# Altium PCB Middle_Stack_PCB.PcbDoc (continued)
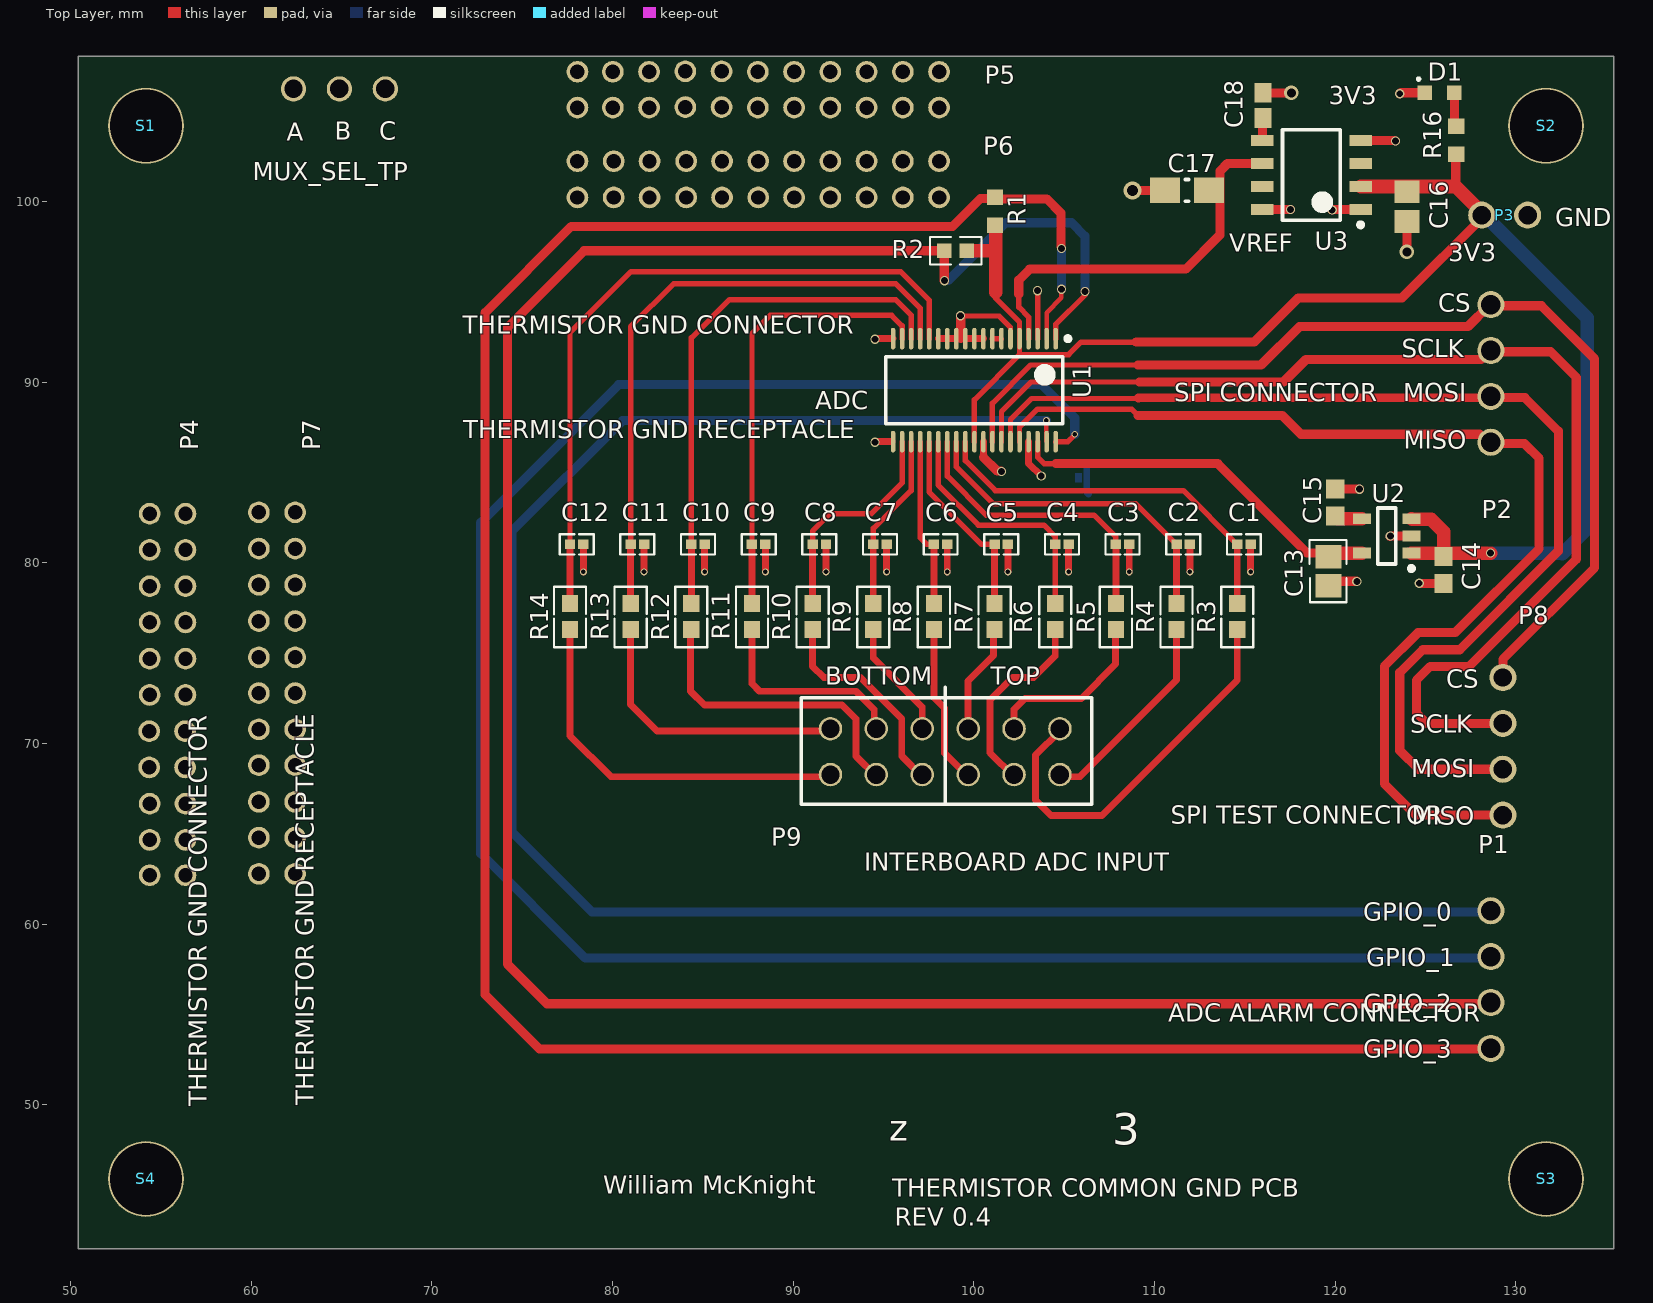
[diagram p0: Top Layer view]
## Part data (continued)
MUX_SEL_TP: "Mux Sel Header TP", Manufacturer="Adam Equipment", Manufacturer Part Number=PH1RA-03-UA, Supplier Part Number 1=2057-PH1RA-03-UA-ND, ComponentLink1Description=https://datasheet.ciiva.com/16476/page-292-295-16476086.pdf?src-supplier=Future+Electronics, ComponentLink1URL=https://datasheet.ciiva.com/16476/page-292-295-16476086.pdf?src-supplier=Future+Electronics, Lead Free="Lead Free", Pricing 1="1=0.12000, 10=0.11300, 100=0.06960, 500=0.05760, 1000=0.05040, 5000=0.04320, 10000=0.04200 (USD)", RoHS=Yes, Stock 1=4630, Supplier 1=Digi-Key
P1: "Connector Header Through Hole, Right Angle 4 position 0.100\" (2.54mm)", Color=Black, Contact Resistance=30mR, Manufacturer=Molex, Manufacturer Part Number=0705530108, Max Operating Temperature=105°C, Min Operating Temperature=-40°C, Supplier Part Number 1=WM4155-ND, ComponentLink1Description=https://datasheet.ciiva.com/6829/705530106-sd-6829901.pdf?src-supplier=Digi-Key, ComponentLink1URL=https://datasheet.ciiva.com/6829/705530106-sd-6829901.pdf?src-supplier=Digi-Key, ComponentLink2Description=https://datasheet.ciiva.com/16498/0705530108-pcb-headers-16498173.pdf?src-supplier=Avnet+Asia, ComponentLink2URL=https://datasheet.ciiva.com/16498/0705530108-pcb-headers-16498173.pdf?src-supplier=Avnet+Asia, Connector Type="Male Pin", Contact Material=Bronze, Contact Mating Length=0.24inch, Contact Plating=Gold, Depth=13.59mm, Fastening Type=Latch, Housing Color=Black, Housing Material=Polyester, Length=12.71mm, Mount="Through Hole", Number of Positions=4, Number of Rows=1, Orientation="Right Angle", Packaging=Rail/Tube, Pitch=0.1inch, Pricing 1="1=2.03000, 10=1.83800, 100=1.57500, 500=1.31250, 1000=1.12500, 5000=0.99750, 10000=0.97500 (USD)", Radiation Hardening=No, RoHS=Yes, Stock 1=858, Supplier 1=Digi-Key, Termination=Solder
P2: "SPI Connector", Color=Black, Contact Resistance=30mR, Current Rating=3A, Flammability Rating="UL94 V-0", Insulation Resistance=1GR, Manufacturer=Molex, Manufacturer Part Number=0705530108, Max Operating Temperature=105°C, Min Operating Temperature=-40°C, Package Quantity=1680, Supplier Part Number 1=WM4155-ND, Voltage Rating=250V, ComponentLink1Description=https://www.molex.com/pdm_docs/ps/PS-70400.pdf?src-supplier=Digi-Key, ComponentLink1URL=https://www.molex.com/pdm_docs/ps/PS-70400.pdf?src-supplier=Digi-Key, ComponentLink2Description=http://www.molex.com/webdocs/datasheets/pdf/en-us/0705530108_PCB_HEADERS.pdf?src-supplier=Avnet+Asia, ComponentLink2URL=http://www.molex.com/webdocs/datasheets/pdf/en-us/0705530108_PCB_HEADERS.pdf?src-supplier=Avnet+Asia, ComponentLink3Description=http://www.farnell.com/datasheets/2027073.pdf?src-supplier=Element14, ComponentLink3URL=http://www.farnell.com/datasheets/2027073.pdf?src-supplier=Element14, ComponentLink4Description=http://www.molex.com/webdocs/datasheets/pdf/en-us/0705530108_PCB_HEADERS.pdf?src-supplier=Avnet, ComponentLink4URL=http://www.molex.com/webdocs/datasheets/pdf/en-us/0705530108_PCB_HEADERS.pdf?src-supplier=Avnet, ComponentLink5Description=http://www.mouser.com/ds/2/276/0705530108_PCB_HEADERS-172949.pdf?src-supplier=Mouser, ComponentLink5URL=http://www.mouser.com/ds/2/276/0705530108_PCB_HEADERS-172949.pdf?src-supplier=Mouser, Connector Type="Male Pin", Contact Material=Bronze, Contact Mating Length=0.24inch, Contact Plating=Gold, Depth=13.59mm, ELV=Compliant, Fastening Type=Latch, Gender=Male, Glow Wire Compliant=Non-compliant, Housing Color=Black, Housing Material=Polyester, Length=12.71mm, Material=Brass, Mount="Through Hole", Number of Circuits=4, Number of Contacts=4, Number of Positions=4, Number of Rows=1, Orientation="Right Angle", Packaging=Rail/Tube, Pitch=0.1inch, Pricing 1="1=2.03, 10=1.838, 100=1.575, 500=1.3125, 1680=1.0875, 5040=0.9975, 10080=0.975 (USD)", Radiation Hardening=No, REACH SVHC=Unknown, Stock 1=1281, Supplier 1=Digi-Key, Termination=Solder, Voltage Rating (DC)=250V
P3: "No supplier part for this schematic symbol, only here to create board to board holes for the power header"
P4 P5: "Current Therm Connector", Color=Black, Contact Resistance=30mR, Current Rating=2A, Manufacturer=Hirose, Manufacturer Part Number=DF11-22DP-2DS(24), Max Operating Temperature=85°C, Min Operating Temperature=-30°C, Package Quantity=20, Supplier Part Number 1=H10253-ND, Voltage Rating=250V, ComponentLink1Description=http://docs-usa.electrocomponents.com/techlib:/itc_doclist_US.htm?stockno=6888963&src-supplier=Allied+Electronics, ComponentLink1URL=http://docs-usa.electrocomponents.com/techlib:/itc_doclist_US.htm?stockno=6888963&src-supplier=Allied+Electronics, ComponentLink2Description=https://www.verical.com/server-webapp/html/getDatasheet?partID=456315&src-supplier=Verical, ComponentLink2URL=https://www.verical.com/server-webapp/html/getDatasheet?partID=456315&src-supplier=Verical, ComponentLink3Description=http://www.hirose.co.jp/cataloge_hp/en_DF11_20130411.pdf?src-supplier=Future+Electronics, ComponentLink3URL=http://www.hirose.co.jp/cataloge_hp/en_DF11_20130411.pdf?src-supplier=Future+Electronics, ComponentLink4Description=http://www.farnell.com/datasheets/91550.pdf?src-supplier=Element14, ComponentLink4URL=http://www.farnell.com/datasheets/91550.pdf?src-supplier=Element14, ComponentLink5Description=http://www.mouser.com/ds/2/185/DF11_catalog-1064296.pdf?src-supplier=Mouser, ComponentLink5URL=http://www.mouser.com/ds/2/185/DF11_catalog-1064296.pdf?src-supplier=Mouser, ComponentLink6Description=http://documents.rs-components.com/techlib://itc_doclist_GB.htm?stockno=6056598&src-supplier=RSComponents, ComponentLink6URL=http://documents.rs-components.com/techlib://itc_doclist_GB.htm?stockno=6056598&src-supplier=RSComponents, Connector Type="Male Pin", Contact Material="Brass,Copper Alloy,Tin", Contact Mating Length=0.118inch, Contact Plating=Tin, Depth=10mm, Fastening Type=Detent, Gender=Male, Height=5mm, Housing Color=Black, Housing Material=Polyamide, Lead Free="Lead Free", Length=24mm, Max Current Rating=2A, Mount="Through Hole", Number of Contacts=22, Number of Positions=22, Number of Rows=2, Orientation="Right Angle", Packaging=Rail/Tube, Pitch=2mm, Pricing 1="1=1.19, 20=1.0455, 100=0.902, 500=0.738, 1000=0.656 (USD)", Radiation Hardening=No, Row Spacing=0.079inch, Stock 1=3536, Supplier 1=Digi-Key, Termination=Solder
P6 P7: Color=Black, Contact Resistance=30mR, Current Rating=2A, Flammability Rating="UL94 V-0", Insulation Resistance=1GR, Manufacturer=Hirose, Manufacturer Part Number=DF11-22DS-2DSA(05), Package Quantity=100, Supplier Part Number 1=H10177-ND, Voltage Rating (AC)=30V, ComponentLink1Description=https://datasheet.ciiva.com/11752/0900766b80d975f3-11752361.pdf?src-supplier=RSComponents, ComponentLink1URL=https://datasheet.ciiva.com/11752/0900766b80d975f3-11752361.pdf?src-supplier=RSComponents, ComponentLink2Description=https://datasheet.ciiva.com/14122/df11serie-eng-tds-14122182.pdf?src-supplier=Distrelec, ComponentLink2URL=https://datasheet.ciiva.com/14122/df11serie-eng-tds-14122182.pdf?src-supplier=Distrelec, ComponentLink3Description=https://datasheet.ciiva.com/5155/en-df11-20130411-258217-5155093.pdf?src-supplier=Mouser, ComponentLink3URL=https://datasheet.ciiva.com/5155/en-df11-20130411-258217-5155093.pdf?src-supplier=Mouser, Connector Type=Receptacle, Contact Gender=Female, Contact Material=Copper, Contact Plating=Tin, Gender=Receptacle, Housing Color=Black, Housing Material=Polyamide, Lead Free="Lead Free", Lead Pitch=2mm, Mating Cycles=30, Mount="Through Hole", Number of Contacts=22, Number of Positions=22, Number of Rows=2, Orientation=Straight, Packaging=Bulk, Pitch=2mm, Pricing 1="1=1.40000, 10=1.27400, 100=1.09200, 500=0.91000, 1000=0.78000 (USD)", REACH SVHC="No SVHC", RoHS=Yes, Row Spacing=0.079inch, Stock 1=843, Supplier 1=Digi-Key, Termination="Through Hole"
P8: "Connector Header Through Hole, Right Angle 4 position 0.100\" (2.54mm)", Color=Natural,Beige, Contact Current Rating=5A, Contact Resistance=6mR, Flammability Rating="UL94 V-0", Housing Color=Natural, Manufacturer="TE Connectivity", Manufacturer Part Number=640455-4, Max Operating Temperature=221°C, Max Voltage Rating (AC)=250V, Min Operating Temperature=-67°C, Package Quantity=1, Supplier Part Number 1=A19452-ND, Approvals=CSA, Backwall/Post Interruptions="No (Without)", ComponentLink1Description=https://datasheet.ciiva.com/16499/eng-ds-82056-mta-0608-16499288.pdf?src-supplier=Future+Electronics, ComponentLink1URL=https://datasheet.ciiva.com/16499/eng-ds-82056-mta-0608-16499288.pdf?src-supplier=Future+Electronics, ComponentLink2Description=https://datasheet.ciiva.com/11752/0900766b81020fb4-11752965.pdf?src-supplier=RSComponents, ComponentLink2URL=https://datasheet.ciiva.com/11752/0900766b81020fb4-11752965.pdf?src-supplier=RSComponents, ComponentLink3Description=https://datasheet.ciiva.com/30226/8852eng-ds-82056-mta-0608-30226713.pdf?src-supplier=Onlinecomponents.com, ComponentLink3URL=https://datasheet.ciiva.com/30226/8852eng-ds-82056-mta-0608-30226713.pdf?src-supplier=Onlinecomponents.com, ComponentLink4Description=https://datasheet.ciiva.com/709/eng-cd-640455-y2-709686.pdf?src-supplier=Digi-Key, ComponentLink4URL=https://datasheet.ciiva.com/709/eng-cd-640455-y2-709686.pdf?src-supplier=Digi-Key, Connector System=Wire-to-Board, Connector Type=Plug,Header,Pin, Contact Gender=Male, Contact Material="Copper Alloy", Contact Mating Length=0.295inch, Contact Plating=Tin, Contact Post Length=3.56mm, Contact Retention="No (Without)", Contact Shape=Square, Current Rating=5A, Depth=11.05mm, ELV=Compliant, Height=7.75mm, Housing Material=Polyester, Lead Free="Lead Free", Length=0.4inch, Mating Alignment="No (Without)", Mating Retention="No (Without)", Mount="Through Hole", Number of Contacts=4, Number of Positions=4, Number of Rows=1, Orientation="Right Angle", Packaging=Bulk, PCB Mount Alignment="No (Without)", PCB Mounting Orientation="Right Angle", PCB Mount Retention=Without, PCB Thickness=0.063inch, Pitch=2.54mm, Plating Thickness=3.81um, Pricing 1="1=0.14000, 10=0.12700, 100=0.08780, 500=0.07430, 1000=0.06080, 5000=0.05404, 10000=0.05066 (USD)", Radiation Hardening=No, REACH SVHC=Unknown, RoHS=Yes, Sealable="No (Without)", Shrouded="No (Without)", Stock 1=4333, Strain Relief="No (Without)", Supplier 1=Digi-Key, Tail Length=3.56mm, Termination=Solder, Underplate Material=Nickel, Voltage Rating=250V, Voltage Rating (AC)=250V
P9: "Connector Header Through Hole 12 position 0.100\" (2.54mm)", Color=Black, Manufacturer=3M, Manufacturer Part Number=929715-06-06-EU, Package Quantity=500, Supplier Part Number 1=3M156375-12-ND, ComponentLink1Description=http://components.arrow.com/part/dataview/42715320S8912076N3321?src-supplier=Arrow, ComponentLink1URL=http://components.arrow.com/part/dataview/42715320S8912076N3321?src-supplier=Arrow, ComponentLink2Description=http://www.mouser.com/ds/2/1/ts0769-35914.pdf?src-supplier=Mouser, ComponentLink2URL=http://www.mouser.com/ds/2/1/ts0769-35914.pdf?src-supplier=Mouser, ComponentLink3Description=http://multimedia.3m.com/mws/mediawebserver?66666UuZjcFSLXTtmXME5x46EVuQEcuZgVs6EVs6E666666--?src-supplier=Digi-Key, ComponentLink3URL=http://multimedia.3m.com/mws/mediawebserver?66666UuZjcFSLXTtmXME5x46EVuQEcuZgVs6EVs6E666666--?src-supplier=Digi-Key, Connector Type="Male Pin", Contact Mating Length=0.318inch, Contact Plating=Gold, Gender=Male, Mount="Through Hole", Number of Positions=12, Number of Rows=2, Packaging=Bulk, Pitch=0.1inch, Pricing 1="1=1.86000, 10=1.69000, 25=1.58600, 50=1.51720, 100=1.44820, 250=1.31024, 500=1.20680 (USD)", RoHS=Yes, Row Spacing=0.1inch, Stock 1=0, Supplier 1=Digi-Key, Termination=Solder
R1: library part "47.5k PullUp RES ADC", "RES 47.5K OHM 0.5% 1/10W 0603", Case/Package=0603, Manufacturer="Stackpole Electronics", Manufacturer Part Number=RNCF0603DTE47K5, Max Operating Temperature=155°C, Min Operating Temperature=-55°C, Power Rating=63mW, Resistance=47.5kR, Supplier Part Number 1=RNCF0603DTE47K5CT-ND, Tolerance=0.5%, ComponentLink1Description=http://datasheet.octopart.com/RNCF0603DTE47K5-Stackpole-Electronics-datasheet-10788241.pdf?src-supplier=Stackpole+Electronics, ComponentLink1URL=http://datasheet.octopart.com/RNCF0603DTE47K5-Stackpole-Electronics-datasheet-10788241.pdf?src-supplier=Stackpole+Electronics, ComponentLink2Description=http://datasheet.octopart.com/RNCF0603DTE47K5-Stackpole-Electronics-datasheet-12511394.pdf?src-supplier=Stackpole+Electronics, ComponentLink2URL=http://datasheet.octopart.com/RNCF0603DTE47K5-Stackpole-Electronics-datasheet-12511394.pdf?src-supplier=Stackpole+Electronics, ComponentLink3Description=http://datasheet.octopart.com/RNCF0603DTE47K5-Stackpole-Electronics-datasheet-11755897.pdf, ComponentLink3URL=http://datasheet.octopart.com/RNCF0603DTE47K5-Stackpole-Electronics-datasheet-11755897.pdf, Mount="Surface Mount", Packaging="Tape and Reel", Pricing 1="1=0.15000, 10=0.12700, 100=0.04970, 1000=0.02079, 2500=0.01906 (USD)", Stock 1=5000, Supplier 1=Digi-Key
R2: "RES 47.5K OHM 0.5% 1/10W 0603", Case/Package=0603, Manufacturer="Stackpole Electronics", Manufacturer Part Number=RNCF0603DTE47K5, Max Operating Temperature=155°C, Min Operating Temperature=-55°C, Power Rating=63mW, Resistance=47.5kR, Supplier Part Number 1=RNCF0603DTE47K5CT-ND, Tolerance=0.5%, ComponentLink1Description=http://datasheet.octopart.com/RNCF0603DTE47K5-Stackpole-Electronics-datasheet-10788241.pdf?src-supplier=Stackpole+Electronics, ComponentLink1URL=http://datasheet.octopart.com/RNCF0603DTE47K5-Stackpole-Electronics-datasheet-10788241.pdf?src-supplier=Stackpole+Electronics, ComponentLink2Description=http://datasheet.octopart.com/RNCF0603DTE47K5-Stackpole-Electronics-datasheet-12511394.pdf?src-supplier=Stackpole+Electronics, ComponentLink2URL=http://datasheet.octopart.com/RNCF0603DTE47K5-Stackpole-Electronics-datasheet-12511394.pdf?src-supplier=Stackpole+Electronics, ComponentLink3Description=http://datasheet.octopart.com/RNCF0603DTE47K5-Stackpole-Electronics-datasheet-11755897.pdf, ComponentLink3URL=http://datasheet.octopart.com/RNCF0603DTE47K5-Stackpole-Electronics-datasheet-11755897.pdf, Mount="Surface Mount", Packaging="Tape and Reel", Pricing 1="1=0.15000, 10=0.12700, 100=0.04970, 1000=0.02079, 2500=0.01906 (USD)", Stock 1=5000, Supplier 1=Digi-Key
R3 R4 R5 R6 R7 R8 R9 R10 R11 R12 R13 R14: Case/Package=0603, Case Code (Metric)=1608, Manufacturer=Rohm, Manufacturer Part Number=KTR03EZPF75R0, Max Operating Temperature=155°C, Max Power Dissipation=100mW, Min Operating Temperature=-55°C, Package Quantity=1, Resistance=75R, Supplier Part Number 1=RHM75AYCT-ND, Temperature Coefficient=100ppm/°C, Tolerance=1%, Case Code (Imperial)=0603, ComponentLink1Description=https://datasheet.ciiva.com/14930/ktr-14930245.pdf?src-supplier=Digi-Key, ComponentLink1URL=https://datasheet.ciiva.com/14930/ktr-14930245.pdf?src-supplier=Digi-Key, ComponentLink2Description=https://datasheet.ciiva.com/14924/ktr-14924923.pdf?src-supplier=Digi-Key, ComponentLink2URL=https://datasheet.ciiva.com/14924/ktr-14924923.pdf?src-supplier=Digi-Key, ComponentLink3Description=https://datasheet.ciiva.com/14928/ktr-14928475.pdf?src-supplier=Digi-Key, ComponentLink3URL=https://datasheet.ciiva.com/14928/ktr-14928475.pdf?src-supplier=Digi-Key, Composition="Thick Film", Features="Automotive AEC-Q200", Height=0.022inch, Length=0.063inch, Number of Terminations=2, Packaging="Cut Tape", Pricing 1="1=0.15000, 10=0.13500, 100=0.05200, 1000=0.02287, 2500=0.01975 (USD)", RoHS=Yes, Stock 1=9052, Supplier 1=Digi-Key, Width=0.031inch
R15: "0 Ohm Resistor for connecting polygon pours"
R16: library part Green_LED_Res, Case/Package=0201, Case Code (Metric)=0603, Manufacturer=Panasonic, Manufacturer Part Number=ERJ-1GNF90R9C, Max Operating Temperature=125°C, Max Power Dissipation=50mW, Min Operating Temperature=-55°C, Package Quantity=15000, Resistance=90.9R, Supplier Part Number 1=311-90.9HRCT-ND, Temperature Coefficient=200ppm/°C, Tolerance=1%, Voltage Rating=25V, Voltage Rating (DC)=50V, Case Code (Imperial)=0201, ComponentLink1Description=https://datasheet.ciiva.com/15189/getdatasheetpartid-326528-15189836.pdf?src-supplier=Verical, ComponentLink1URL=https://datasheet.ciiva.com/15189/getdatasheetpartid-326528-15189836.pdf?src-supplier=Verical, ComponentLink2Description=https://datasheet.ciiva.com/12558/rc0603-272842-12558285.pdf?src-supplier=Mouser, ComponentLink2URL=https://datasheet.ciiva.com/12558/rc0603-272842-12558285.pdf?src-supplier=Mouser, Composition="Thick Film", Contact Plating=Tin,Matte, Depth=0.8mm, Height=0.01inch, Lead Free="Lead Free", Length=0.024inch, Military Standard=Not, Mount="Surface Mount", Number of Terminations=2, Packaging="Tape and Reel", Power Rating=50mW, Pricing 1="1=0.10000, 10=0.02400, 100=0.00970, 1000=0.00437, 2500=0.00379 (USD)", Radiation Hardening=No, RoHS=Yes, Stock 1=401780, Supplier 1=Digi-Key, Termination=SMD/SMT, Width=0.3mm
S1 S2 S3 S4: "Hex standoff for Thermistor GND Board", Case/Package=Aluminum, Manufacturer=RAF, Manufacturer Part Number=2104-632-AL, Supplier Part Number 1=1772-1401-ND, ComponentLink1Description=https://datasheet.ciiva.com/18425/70006493-18425850.pdf?src-supplier=Allied+Electronics, ComponentLink1URL=https://datasheet.ciiva.com/18425/70006493-18425850.pdf?src-supplier=Allied+Electronics, ComponentLink2Description=https://datasheet.ciiva.com/30059/2101-1032-b-5-30059595.pdf?src-supplier=Onlinecomponents.com, ComponentLink2URL=https://datasheet.ciiva.com/30059/2101-1032-b-5-30059595.pdf?src-supplier=Onlinecomponents.com, Gender="Female to Female", Length=0.5inch, Material=Aluminium, Pricing 1="1=0.26000, 25=0.17400, 100=0.14820, 250=0.14080, 500=0.13338, 1000=0.12597 (USD)", RoHS=Yes, Shape=Hex, Stock 1=3884, Supplier 1=Digi-Key, System=Connector
U1: "12 Bit SAR ADC", Case/Package=TSSOP, Manufacturer="Texas Instruments", Manufacturer Part Number=ADS7952SDBT, Max Operating Temperature=125°C, Max Supply Voltage=5.25V, Min Operating Temperature=-40°C, Min Supply Voltage=2.7V, Nominal Supply Current=2.3mA, Operating Supply Voltage=3.3V, Package Quantity=50, Power Consumption=11.5mW, Power Dissipation=14.5mW, Supplier Part Number 1=296-23503-5-ND, ComponentLink1Description=https://datasheet.ciiva.com/41460/001186285-da-01-en-ic-adc-12bit-1m-ads7952sdbt-tssop-38-tid-41460243.pdf?src-supplier=Conrad, ComponentLink1URL=https://datasheet.ciiva.com/41460/001186285-da-01-en-ic-adc-12bit-1m-ads7952sdbt-tssop-38-tid-41460243.pdf?src-supplier=Conrad, ComponentLink2Description=https://datasheet.ciiva.com/14258/ads7961-14258981.pdf?src-supplier=Avnet, ComponentLink2URL=https://datasheet.ciiva.com/14258/ads7961-14258981.pdf?src-supplier=Avnet, ComponentLink3Description=https://datasheet.ciiva.com/1263/ads7950-1263926.pdf?src-supplier=Digi-Key, ComponentLink3URL=https://datasheet.ciiva.com/1263/ads7950-1263926.pdf?src-supplier=Digi-Key, Contact Plating=Gold, Conversion Rate=1MS/s, Full Scale Error=2LSB, Integral Nonlinearity (INL)=1.5LSB, Interface=SPI, Lead Free="Lead Free", Mount="Surface Mount", Number of A/D Converters=1, Number of Analog Inputs=12, Number of Bits=12, Number of Channels=12, Number of Converters=1, Number of Elements=1, Number of Inputs=12, Number of Pins=38, Packaging=Rail/Tube, Polarity=Unipolar, Pricing 1="1=9.30000, 10=8.40000, 50=8.00940, 100=6.95450, 500=6.05586, 1000=5.27445 (USD)", Radiation Hardening=No, REACH SVHC="No SVHC", Resolution=12b, RoHS=Yes, Sampling Rate=1MS/s, Signal to Noise Ratio (SNR)=71.7dB, Stock 1=1697, Supplier 1=Digi-Key, Supply Type=Analog
U2: "Linear Voltage Regulator IC  1 Output  200mA SOT-23-5", Case/Package=SOT-23, Dropout Voltage=102mV, Input Bias Current=170uA, Manufacturer="Texas Instruments", Manufacturer Part Number=TPS79333DBVRQ1, Max Input Voltage=5.5V, Max Operating Temperature=125°C, Max Output Current=200mA, Max Output Voltage=3.3V, Max Power Dissipation=561mW, Min Current Limit=285mA, Min Input Voltage=2.7V, Min Operating Temperature=-40°C, Output Voltage Accuracy=2%, Package Quantity=1, Quiescent Current=200uA, Supplier Part Number 1=296-15308-1-ND, Accuracy=2%, ComponentLink1Description=https://datasheet.ciiva.com/14277/tps79301-q1-14277552.pdf?src-supplier=Avnet, ComponentLink1URL=https://datasheet.ciiva.com/14277/tps79301-q1-14277552.pdf?src-supplier=Avnet, ComponentLink2Description=https://datasheet.ciiva.com/22700/1845238-22700085.pdf?src-supplier=Element14, ComponentLink2URL=https://datasheet.ciiva.com/22700/1845238-22700085.pdf?src-supplier=Element14, ComponentLink3Description=https://datasheet.ciiva.com/7993/1781686-7993219.pdf?src-supplier=Element14, ComponentLink3URL=https://datasheet.ciiva.com/7993/1781686-7993219.pdf?src-supplier=Element14, ComponentLink4Description=https://datasheet.ciiva.com/28684/1887604-28684539.pdf?src-supplier=Element14, ComponentLink4URL=https://datasheet.ciiva.com/28684/1887604-28684539.pdf?src-supplier=Element14, Contact Plating=Gold, Lead Free="Lead Free", Max Supply Voltage=5.5V, Min Output Voltage=3.3V, Min Supply Voltage=2.7V, Nominal Output Voltage=3.3V, Number of Outputs=1, Number of Pins=5, Number of Regulators=1, Output Current=200mA, Output Type=Fixed, Output Voltage=3.3V, Packaging="Tape and Reel", Polarity=Positive, Power Dissipation=561mW, Pricing 1="1=0.86000, 10=0.75600, 100=0.53820, 500=0.43510, 1000=0.33205 (USD)", Radiation Hardening=No, REACH SVHC="No SVHC", RoHS=Yes, Stock 1=3595, Supplier 1=Digi-Key, Termination=SMD/SMT
U3: Case/Package=D, Manufacturer="Texas Instruments", Manufacturer Part Number=REF5025AQDRQ1, Max Input Voltage=18V, Max Operating Temperature=125°C, Max Output Current=10mA, Max Output Voltage=2.5V, Min Input Voltage=2.7V, Min Operating Temperature=-40°C, Nominal Supply Current=800uA, Operating Supply Current=1.2mA, Package Quantity=1, Supplier Part Number 1=296-27911-1-ND, Temperature Coefficient=3ppm/°C, Tolerance=0.1%, ComponentLink1Description=http://www.ti.com/lit/ds/symlink/ref5025a-q1.pdf, ComponentLink1URL=http://www.ti.com/lit/ds/symlink/ref5025a-q1.pdf, ComponentLink2Description=http://www.ti.com/lit/ds/symlink/ref5020a-q1.pdf?src-supplier=Digi-Key, ComponentLink2URL=http://www.ti.com/lit/ds/symlink/ref5020a-q1.pdf?src-supplier=Digi-Key, ComponentLink3Description=http://www.ti.com/lit/ds/symlink/ref5030a-q1.pdf?src-supplier=Digi-Key, ComponentLink3URL=http://www.ti.com/lit/ds/symlink/ref5030a-q1.pdf?src-supplier=Digi-Key, Lead Free="Lead Free", Min Output Voltage=2.5V, Number of Channels=1, Number of Pins=8, Output Current=10mA, Output Type=Fixed, Output Voltage=2.5V, Packaging="Tape and Reel", Pricing 1="1=3.54, 10=3.182, 100=2.607, 500=2.2193, 1000=1.8717 (USD)", Quiescent Current=800uA, Radiation Hardening=No, Reference Type=Series, Stock 1=16802, Supplier 1=Digi-Key, Weight=0.002677oz

## Via types
v1: diameter 0.508, hole 0.381, Top Layer to Bottom Layer, tented top, 19 vias
v2: diameter 0.381, hole 0.254, Top Layer to Bottom Layer, tented top, 14 vias
v3: diameter 0.8, hole 0.5, Top Layer to Bottom Layer, 2 vias
v4: diameter 1, hole 0.6, Top Layer to Bottom Layer, 1 vias

## Nets (pads, with @x,y where several pads share a name; then routed paths per layer and width w, separated by ;. In a path a pad name is that pad's centre, name@x,y a point inside that pad or via, vN(x,y) a via of type N, cw(c..) or ccw(c..) an arc to the next point about the centre after c; other vN are vias at no path point)
+3.3V_AN: C14.2 C16.2 P3.2 R1.2 R2.2 R16.1 U1.5 U1.29 U2.1 U2.3 U3.2 | length 87.1
  Top Layer w0.3: U1.29 100.03,89.032 102.53,91.532 ; 101.219,94.996 101.219,94.64 102.53,93.329 U1.5 102.53,91.532 ; 108.991,92.227 105.943,92.227 105.248,91.532 102.53,91.532
  Top Layer w0.508: 108.991,92.227 115.519,92.227 117.958,94.666 123.693,94.666 P3.2@128.273,99.245 ; 126.68,100.838 R16.1@126.68,102.603
  Top Layer w0.75: R2.2 101.219,97.282 ; R1.2 101.219,98.641 101.219,97.282 ; 101.219,94.996 101.219,97.282 ; U3.2 126.68,100.838 P3.2@128.273,99.245 ; U2.1 125.822,80.543 C14.2 ; U2.3 124.262,82.407 125.316,82.407 126.001,81.721 C14.2 ; v1(128.6,80.543) 126.259,80.543 126.04,80.324 C14.2
  Bottom Layer w0.75: P3.2@128.273,99.245 133.96,93.558 133.96,81.89 132.57,80.5 132.527,80.543 v1(128.6,80.543)
+VBD: C13.2 U1.36 U2.5 | length 20.9
  Top Layer w0.3: U1.36 103.53,85.852 103.886,85.496 104.546,85.496
  Top Layer w0.5: 118.437,80.562 119.412,80.562 C13.2
  Top Layer w0.508: 104.546,85.496 113.504,85.496 118.437,80.562
  Top Layer w0.75: C13.2@119.855,80.49 119.907,80.543 U2.5
AGND: C1.1 C2.1 C3.1 C4.1 C5.1 C6.1 C7.1 C8.1 C9.1 C10.1 C11.1 C12.1 C13.1 C14.1 C15.1 C16.1 C17.1 C18.1 D1.1 P3.1 P4.1 P4.2 P4.3 P4.4 P4.5 P4.6 P4.7 P4.8 P4.9 P4.10 P4.11 P4.12 P4.13 P4.14 P4.15 P4.16 P4.17 P4.18 P4.19 P4.20 P4.21 P4.22 P5.1 P5.2 P5.3 P5.4 P5.5 P5.6 P5.7 P5.8 P5.9 P5.10 P5.11 P5.12 P5.13 P5.14 P5.15 P5.16 P5.17 P5.18 P5.19 P5.20 P5.21 P5.22 P6.1 P6.2 P6.3 P6.4 P6.5 P6.6 P6.7 P6.8 P6.9 P6.10 P6.11 P6.12 P6.13 P6.14 P6.15 P6.16 P6.17 P6.18 P6.19 P6.20 P6.21 P6.22 P7.1 P7.2 P7.3 P7.4 P7.5 P7.6 P7.7 P7.8 P7.9 P7.10 P7.11 P7.12 P7.13 P7.14 P7.15 P7.16 P7.17 P7.18 P7.19 P7.20 P7.21 P7.22 R15.1 S1.1 S2.1 S3.1 S4.1 U1.3 U1.6 U1.9 U1.10 U1.11 U1.12 U1.13 U1.14 U1.19 U1.20 U1.30 U2.2 U3.1 U3.4 U3.8 | length 50.9
  Top Layer w0.3: v1(99.268,93.68) 99.28,93.668 101.404,93.668 102.03,93.042 U1.6 ; U1.3 v1(103.53,95.072)
  Top Layer w0.381: v2(78.384,79.502) 78.384,81.023 C12.1 ; v2(81.745,79.505) C11.1 ; v2(85.103,79.505) C10.1 ; v2(88.46,79.505) C9.1 ; v2(91.817,79.505) C8.1 ; v1@94.539,92.354 94.6,92.416 U1.19 ; v1@94.6,86.716 U1.20@95.475,86.716 ; v2(95.175,79.505) C7.1 ; U1.14 U1.13 U1.12 99.28,92.416 U1.11 U1.10 U1.9 ; v2(98.532,79.505) C6.1 ; 100.53,85.855 U1.30 ; v1@101.498,85.09 v1(101.524,85.065) ; v2(101.89,79.505) C5.1 ; v2(105.247,79.505) C4.1 ; v2(108.605,79.505) C3.1 ; v2(111.962,79.505) C2.1 ; v2(115.319,79.505) C1.1
  Top Layer w0.5: v4(108.775,100.625) C17.1 ; C18.1 v3(117.575,106.025) ; v3(123.975,97.225) C16.1
  Top Layer w0.508: 99.28,92.416 v1@99.28,93.668 ; 100.53,85.855 101.295,85.09 v1@101.498,85.09 ; U3.8 v1(117.526,99.568) ; v1(119.837,99.543) 119.812,99.568 U3.1 ; C13.1@119.855,78.99 v1@121.187,78.99 ; C15.1 121.34,84.097 v1(121.353,84.084) ; U3.4 123.317,103.378 v1(123.342,103.353) ; v1@123.055,81.467 123.08,81.493 U2.2 ; v1(123.578,105.974) 123.629,106.025 D1.1 ; v1@124.669,78.863 C14.1
  Bottom Layer w0.381: 106.274,85.522 106.248,85.496 R15.1 106.248,83.922 106.35,83.82
  other v1: 124.655,78.877 121.201,78.977 123.055,81.493 94.539,86.68 94.539,92.38
DGND: R15.2 U1.35 | length 2.2
  Top Layer w0.381: U1.35 103.03,85.514 v1(103.734,84.811)
"GPIO Range": P1.2 R2.1 U1.1 | length 133.8
  Top Layer w0.3: v1@98.367,95.641 v1(98.383,95.624) ; U1.1 104.53,93.202 106.147,94.818 v1(106.147,95.021)
  Top Layer w0.5: 94.259,97.282 78.432,97.282 74.175,93.025 74.175,57.8 76.375,55.6 P1.2@128.62,55.6
  Top Layer w0.508: 94.259,97.282 R2.1 v1@98.367,95.641
  Bottom Layer w0.5: v1@98.571,95.624 101.778,98.831 105.41,98.831 106.147,98.095 v1(106.147,95.021)
"High Alarm": P1.4 U1.37 | length 106
  Top Layer w0.254: v2(104.013,87.884) 104.013,86.733 U1.37
  Bottom Layer w0.5: v2(104.013,87.884) 80.559,87.884 74.425,81.75 74.425,65.125 78.875,60.675 P1.4@128.62,60.675
"Low Alarm": P1.3 U1.38 | length 115.6
  Top Layer w0.3: U1.38 105.207,86.716 105.588,87.097 v2(105.588,87.122)
  Bottom Layer w0.5: v2(105.588,87.122) 105.588,88.036 103.759,89.865 80.34,89.865 72.7,82.225 72.7,63.925 78.5,58.125 P1.3@128.62,58.125
NetC1_2: C1.2 R3.2 U1.28 | length 21.3
  Top Layer w0.3: U1.28 99.53,85.661 101.194,83.998 111.608,83.998 C1.2
  Top Layer w0.381: R3.2 C1.2
NetC2_2: C2.2 R4.2 U1.27 | length 18.6
  Top Layer w0.3: U1.27 99.03,85.323 101.067,83.287 108.961,83.287 C2.2
  Top Layer w0.381: R4.2 C2.2
NetC3_2: C3.2 R5.2 U1.26 | length 16.3
  Top Layer w0.3: U1.26 98.53,84.807 100.686,82.652 106.655,82.652 107.865,81.442 C3.2
  Top Layer w0.381: R5.2 C3.2
NetC4_2: C4.2 R6.2 U1.25 | length 13.8
  Top Layer w0.3: U1.25 98.03,84.316 100.254,82.093 103.886,82.093 104.507,81.472 C4.2 R6.2
NetC5_2: C5.2 R7.2 U1.24 | length 10.9
  Top Layer w0.3: U1.24 97.53,83.927 100.432,81.026 C5.2
  Top Layer w0.381: R7.2 C5.2
NetC6_2: C6.2 R8.2 U1.23 | length 9.5
  Top Layer w0.3: U1.23 97.03,81.395 97.399,81.026 C6.2
  Top Layer w0.381: R8.2 C6.2
NetC7_2: C7.2 R9.2 U1.22 | length 9.8
  Top Layer w0.3: C7.2 94.435,81.91 96.53,84.005 U1.22
  Top Layer w0.381: R9.2 C7.2
NetC8_2: C8.2 R10.2 U1.21 | length 12.3
  Top Layer w0.3: C8.2 91.077,81.763 92.05,82.735 94.335,82.735 96.03,84.43 U1.21
  Top Layer w0.381: R10.2 C8.2
NetC9_2: C9.2 R11.2 U1.18 | length 24.6
  Top Layer w0.3: C9.2 87.72,92.695 88.725,93.7 95.45,93.7 96.03,93.12 U1.18
  Top Layer w0.381: R11.2 C9.2
NetC10_2: C10.2 R12.2 U1.17 | length 29.4
  Top Layer w0.3: C10.2 84.363,92.463 86.475,94.575 95.675,94.575 96.53,93.72 U1.17
  Top Layer w0.381: R12.2 C10.2
NetC11_2: C11.2 R13.2 U1.16 | length 34.6
  Top Layer w0.3: C11.2 81.005,93.08 83.375,95.45 95.692,95.45 97.03,94.111 U1.16
  Top Layer w0.381: R13.2 C11.2
NetC12_2: C12.2 R14.2 U1.15 | length 39
  Top Layer w0.3: C12.2 77.648,92.748 81.025,96.125 95.95,96.125 97.53,94.545 U1.15
  Top Layer w0.381: R14.2 C12.2
NetC15_2: C15.2 U2.4 | length 1.5
  Top Layer w0.75: C15.2 120.161,82.443 U2.4
NetC18_2: C18.2 U3.5 | length 1.3
  Top Layer w0.5: U3.5 115.981,103.397 115.981,104.606 C18.2
NetD1_2: D1.2 R16.2 | length 1.7
  Top Layer w0.508: R16.2@126.601,104.285 D1.2
NetP2_1: P2.1 P8.1 U1.34 | length 61.2
  Top Layer w0.3: U1.34 102.53,87.519 103.53,88.519 108.737,88.519 109.093,88.163
  Top Layer w0.508: 109.093,88.163 117.069,88.163 118.11,87.122 127.991,87.122 128.499,86.614 130.474,86.614 131.293,85.795 131.293,80.793 126.65,76.15 124.592,76.15 122.725,74.283 122.725,67.775 124.46,66.04 P8.1
NetP2_2: P2.2 P8.2 U1.33 | length 61.2
  Top Layer w0.3: U1.33 102.03,87.933 103.2,89.103 108.864,89.103
  Top Layer w0.508: 109.118,89.129 128.499,89.154 130.505,89.154 132.359,87.3 132.359,80.659 126.9,75.2 124.85,75.2 123.578,73.928 123.578,69.622 124.62,68.58 P8.2
NetP2_3: P2.3 P8.3 U1.32 | length 64
  Top Layer w0.3: U1.32 101.53,88.373 103.175,90.018 109.169,90.018
  Top Layer w0.508: 109.169,90.018 117.145,90.018 118.389,91.262 128.067,91.262 128.499,91.694 131.928,91.694 133.35,90.272 133.35,80.2 127.425,74.275 125.275,74.275 124.5,73.5 124.5,71.7 125.08,71.12 P8.3
NetP2_4: P2.4 P8.4 U1.31 | length 58.6
  Top Layer w0.3: U1.31 101.03,88.838 103.149,90.957 109.093,90.957
  Top Layer w0.508: 109.093,90.957 115.9,90.957 118.034,93.091 127.356,93.091 128.499,94.234 131.42,94.234 134.366,91.288 134.366,79.741 129.286,74.661 P8.4
NetP9_1: P9.1 R14.1 | length 21.2
  Top Layer w0.381: R14.1 77.648,70.434 79.915,68.167 P9.1@92.065,68.167
NetP9_2: P9.2 R13.1 | length 15.8
  Top Layer w0.381: R13.1 81.005,72.157 82.455,70.707 P9.2@92.065,70.707
NetP9_3: P9.3 R12.1 | length 16.9
  Top Layer w0.381: R12.1 84.328,76.279 84.328,72.898 85.09,72.136 92.71,72.136 93.472,71.374 93.472,69.3 P9.3@94.605,68.167
NetP9_4: P9.4 R11.1 | length 11.6
  Top Layer w0.381: R11.1 87.72,73.316 88.138,72.898 93.472,72.898 94.488,71.882 94.488,70.866 94.605,70.749 P9.4@94.605,70.707
NetP9_5: P9.5 R10.1 | length 11.8
  Top Layer w0.381: R10.1 91.077,74.277 91.694,73.66 93.726,73.66 96.012,71.374 96.012,69.3 P9.5@97.145,68.167
NetP9_6: P9.6 R9.1 | length 6.7
  Top Layer w0.381: R9.1 94.435,74.729 97.145,72.019 P9.6@97.145,70.707
NetP9_7: P9.7 R8.1 | length 8.9
  Top Layer w0.381: R8.1 97.792,72.558 98.383,71.967 98.383,69.469 P9.7@99.685,68.167
NetP9_8: P9.8 R7.1 | length 6.2
  Top Layer w0.381: P9.8@99.685,70.707 99.685,73.468 101.092,74.875 101.092,76.255 R7.1
NetP9_9: P9.9 R6.1 | length 10.9
  Top Layer w0.381: P9.9@102.225,68.167 100.9,69.492 100.9,72.425 102.135,73.66 103.317,73.66 104.507,74.85 R6.1
NetP9_10: P9.10 R5.1 | length 9.8
  Top Layer w0.3: R5.1@107.85,76.299 R5.1
  Top Layer w0.381: P9.10@102.225,70.707 102.225,71.9 102.825,72.5 105.95,72.5 107.85,74.4 R5.1@107.85,76.299
NetP9_11: P9.11 R4.1 | length 11.5
  Top Layer w0.381: P9.11@104.765,68.167 105.867,68.167 111.222,73.522 R4.1
NetP9_12: P9.12 R3.1 | length 21.8
  Top Layer w0.381: P9.12@104.765,70.707 103.425,69.367 103.425,66.875 104.275,66.025 107.1,66.025 114.579,73.504 R3.1
NetU1_7: U1.7 U1.8 | length 0.5
  Top Layer w0.3: U1.8 U1.7
"Power Down": P1.1 R1.1 U1.2 | length 136.7
  Top Layer w0.254: U1.2 104.03,93.855 104.85,94.675 v1(104.85,95.15)
  Top Layer w0.5: R1.1@101.103,100.166 100.366,100.166 98.825,98.625 77.725,98.625 72.95,93.85 72.95,56.1 75.95,53.1 P1.1@128.62,53.1
  Top Layer w0.508: R1.1@101.103,100.166 101.12,100.15 104.041,100.15 104.826,99.365 v1@104.826,97.511
  Bottom Layer w0.5: v1(104.85,95.15) v1(104.85,97.4)
S0: 
S1: 
S2: 
VREF: C17.2 U1.4 U3.6 | length 21.7
  Top Layer w0.3: 102.489,94.894 102.489,94.158 103.03,93.616 U1.4
  Top Layer w0.508: 102.489,94.894 102.489,95.656 103.099,96.266 111.735,96.266 113.627,98.158 113.627,100.432 113.627,101.689 114.046,102.108 U3.6
pads on no net: MUX_SEL_TP.1 MUX_SEL_TP.2 MUX_SEL_TP.3 U3.3 U3.7

## Polygon pours and split planes (outlines as drawn)
AGND on Bottom Layer "AGND_L02_P010" (solid, remove dead copper, pour order 10): 50.425,108.05 135.425,108.05 135.425,42.05 50.425,42.05
DGND on Bottom Layer "DGND_L02_P000" (solid, remove dead copper, pour order 0): 102.936,83.023 102.936,85.969 105.76,85.969 105.76,83.023
DGND on Bottom Layer "DGND_L02_P006" (solid, remove dead copper, pour order 6): 111.227,87.986 111.227,90.678 108.864,90.678 108.864,87.986

## Other copper
Bottom Layer:
  pour cut-out: 129.032,60.156 129.032,58.643 128.257,58.643 128.175,58.725 128.175,60.225 128.963,60.225
  pour cut-out: 105.013,87.884 104.527,87.884 104.527,87.973 103.525,88.975 103.7,89.15 103.875,89.15 103.875,89.022

## Silkscreen, mask and mechanical layers (free items; w line width, h text height)
Top Overlay:
  lines w0.2: 98.425,66.942 98.425,66.642 ; 98.425,71.967 98.425,72.542 ; 98.425,73.117 98.425,72.542 ; 98.425,66.642 90.45,66.642 90.45,72.542 98.425,72.542 ; 98.425,66.642 106.525,66.642 106.525,72.542 98.425,72.542 ; 98.425,66.642 98.425,72.542
  text "3V3" at 119.65,105.4 h1
  text "B" at 64.625,103.425 h1
  text "C" at 67.1,103.425 h1
  text "A" at 61.975,103.375 h1
  text "GND" at 132.175,98.625 h1
  text "VREF" at 114.15,97.225 h1
  text "3V3" at 126.275,96.7 h1
  text "CS" at 125.701,93.904 h1
  text "THERMISTOR GND CONNECTOR" at 71.7,92.7 h1
  text "SCLK" at 123.696,91.389 h1
  text "SPI CONNECTOR" at 111.1,88.95 h1
  text "MOSI" at 123.775,88.951 h1
  text "ADC" at 91.225,88.5 h1
  text "THERMISTOR GND RECEPTACLE" at 71.725,86.9 h1
  text "MISO" at 123.792,86.309 h1
  text "BOTTOM" at 91.775,73.267 h1
  text "TOP" at 100.95,73.267 h1
  text "CS" at 126.151,73.104 h1
  text "SCLK" at 124.146,70.589 h1
  text "MOSI" at 124.225,68.151 h1
  text "SPI TEST CONNECTOR" at 110.9,65.55 h1
  text "MISO" at 124.242,65.509 h1
  text "INTERBOARD ADC INPUT" at 93.925,62.95 h1
  text "GPIO_0" at 121.55,60.2 h1
  text "GPIO_1" at 121.717,57.667 h1
  text "GPIO_2" at 121.55,55.133 h1
  text "ADC ALARM CONNECTOR" at 110.75,54.6 h1
  text "GPIO_3" at 121.55,52.6 h1
  text "THERMISTOR GND RECEPTACLE" at 63.45,49.975 h1 r90
  text "THERMISTOR GND CONNECTOR" at 57.55,49.925 h1 r90
  text "z" at 95.333,47.531 h2.5
  text "3" at 107.65,47.225 h3
  text "William McKnight" at 79.5,45.075 h1
  text "THERMISTOR COMMON GND PCB" at 95.475,44.925 h1
  text "REV 0.4" at 95.625,43.3 h1
Bottom Overlay:
  lines w0.2: 98.425,66.942 98.425,66.642 ; 98.425,71.967 98.425,72.542 ; 98.425,73.117 98.425,72.542 ; 98.425,66.642 106.525,66.642 106.525,72.542 98.425,72.542 ; 98.425,66.642 90.45,66.642 90.45,72.542 98.425,72.542 ; 98.425,66.642 98.425,72.542
  text "B" at 65.225,103.425 h1
  text "C" at 67.775,103.425 h1
  text "A" at 62.65,103.375 h1
  text "POWER" at 126.525,98.675 h1
  text "3V3" at 129.55,96.8 h1
  text "GND" at 132.925,96.775 h1
  text "CS" at 127.275,93.925 h1
  text "SCLK" at 127.195,91.339 h1
  text "MOSI" at 127.274,88.901 h1
  text "MISO" at 127.291,86.259 h1
  text "CS" at 127.5,73.2 h1
  text "BOTTOM" at 96.875,73.175 h1
  text "TOP" at 103.825,73.175 h1
  text "SCLK" at 127.42,70.614 h1
  text "MOSI" at 127.499,68.176 h1
  text "MISO" at 127.516,65.534 h1
  text "GPIO_0" at 127.025,60.2 h1
  text "GPIO_1" at 126.858,57.667 h1
  text "GPIO_2" at 127.025,55.133 h1
  text "GPIO_3" at 127.025,52.6 h1
  text "3" at 123.675,44.1 h8
Board Outline:
  the board outline again, w0.1